# Altium PCB BEE_BOARD_ROTATED.PcbDoc (part 2 of 3) (continued)
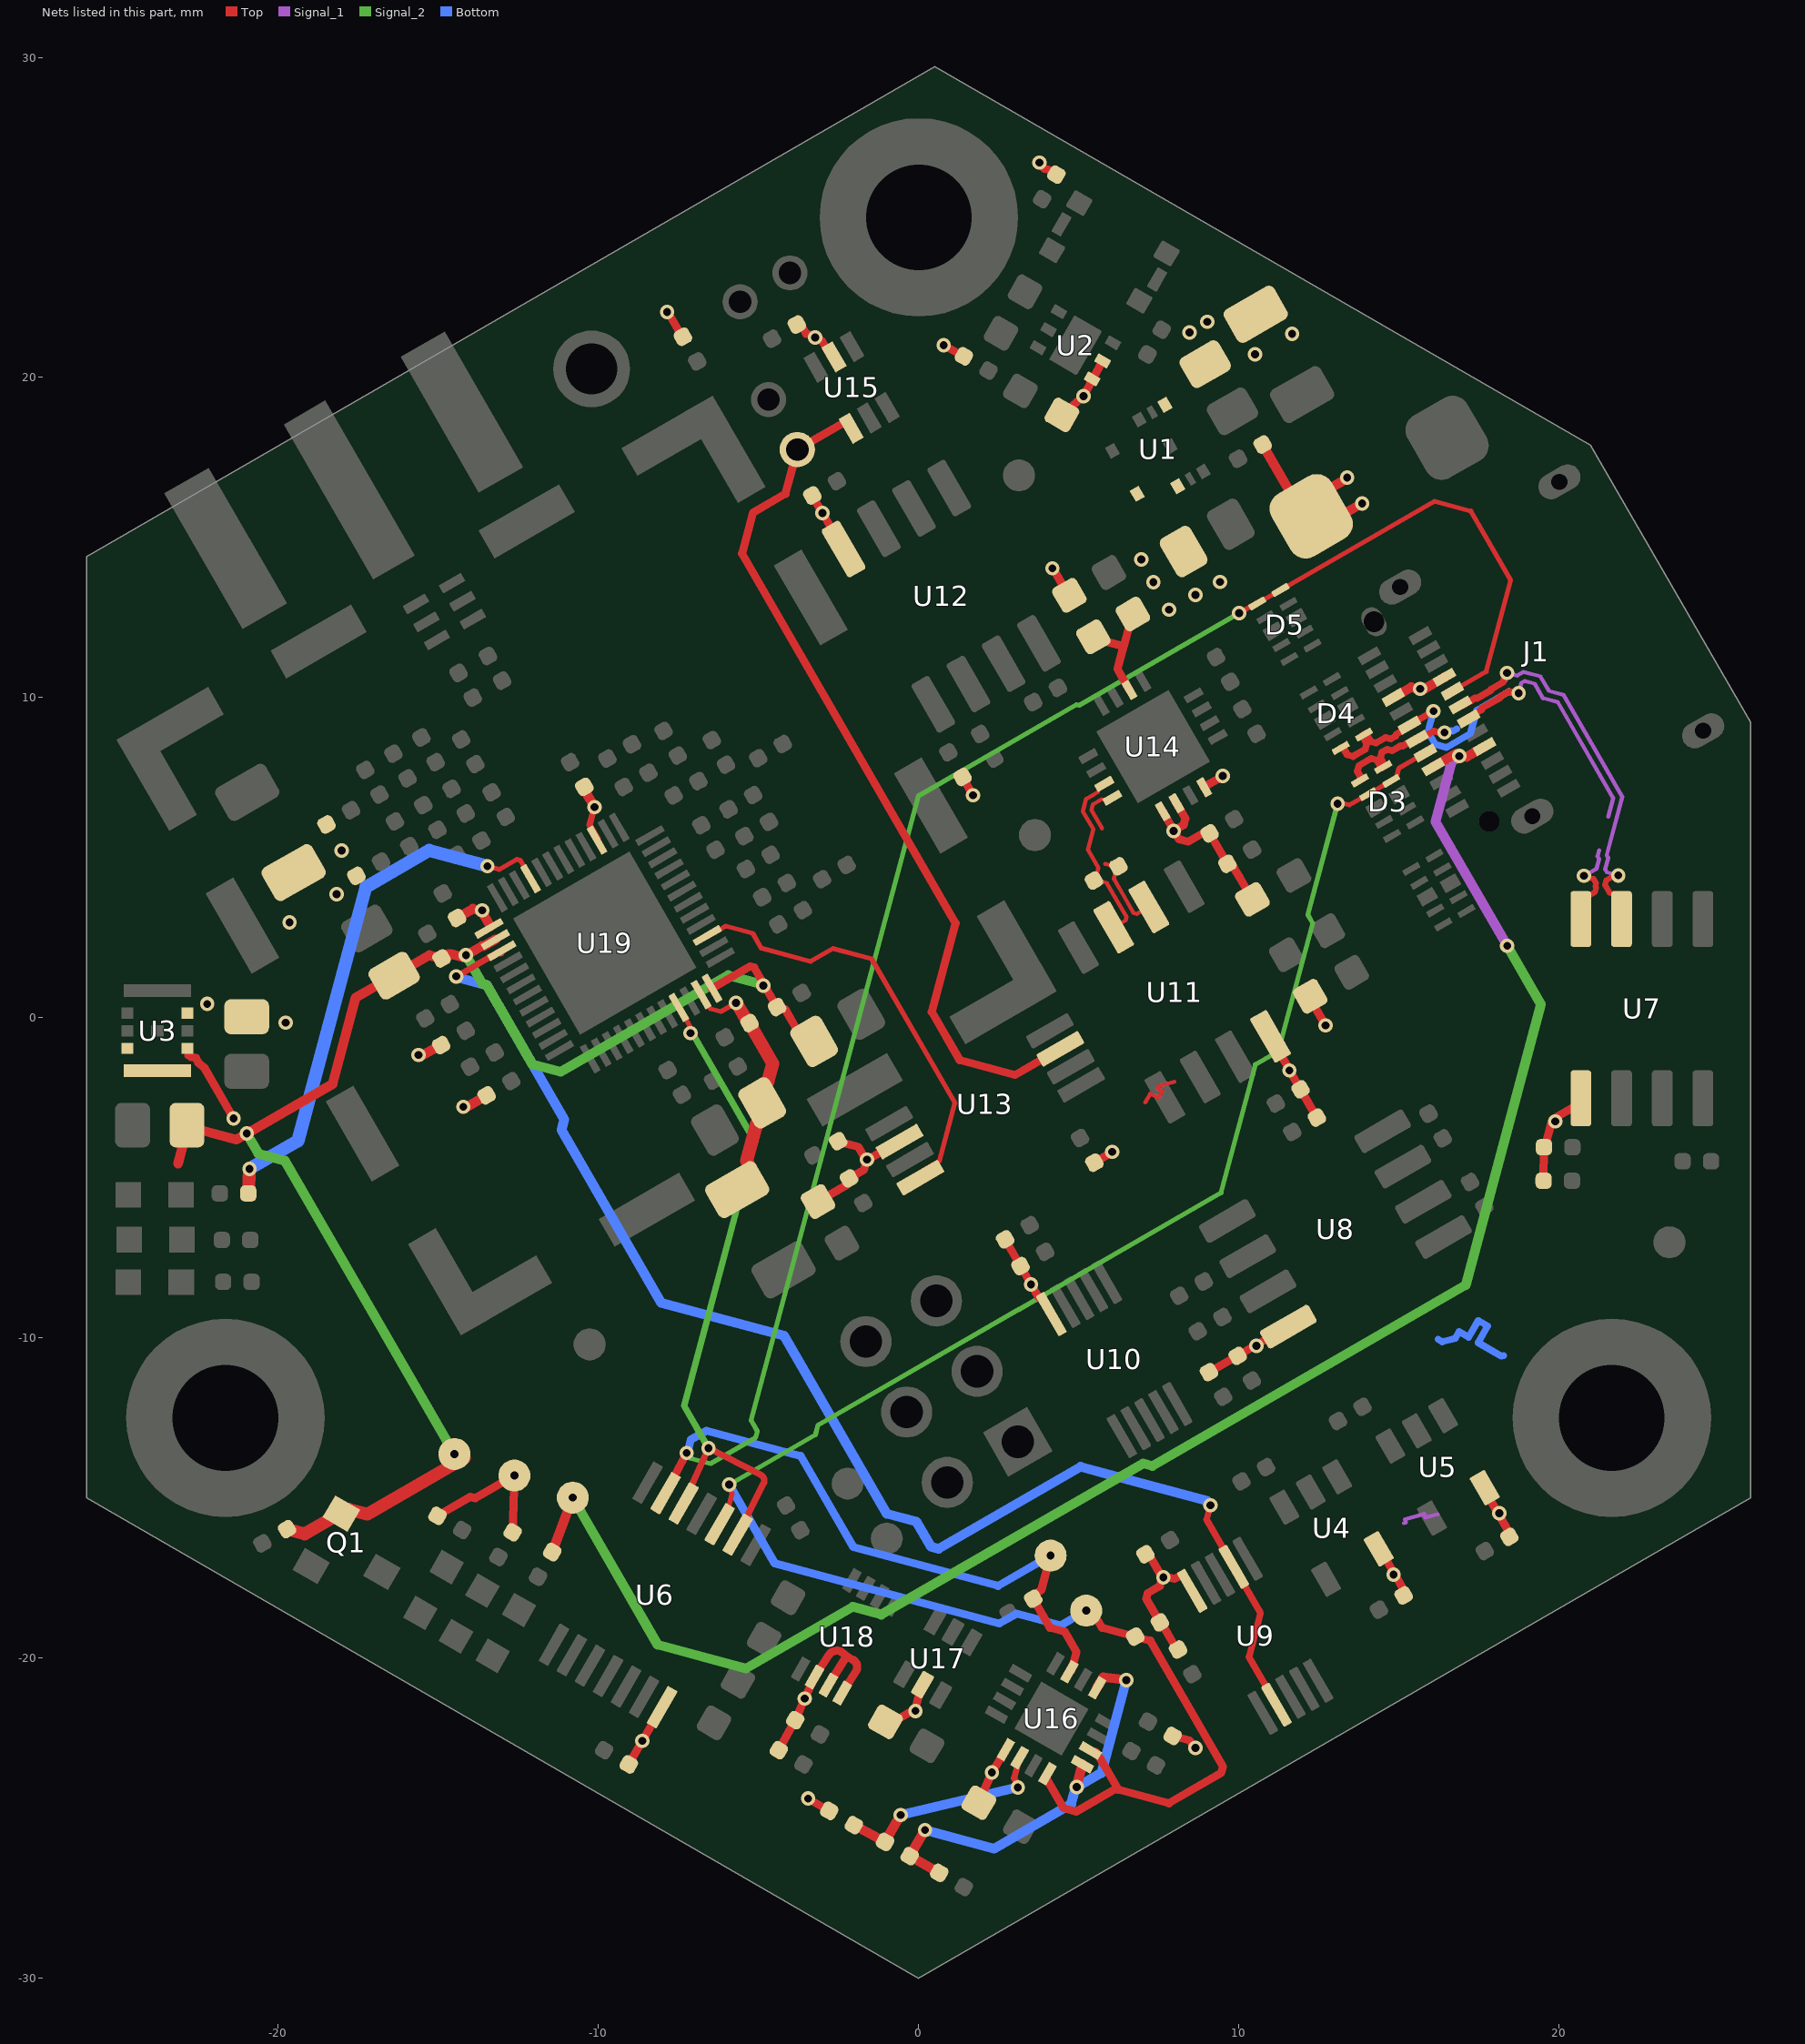
[diagram p8: the nets of this part, all layers, seen from the top]
## Part data (continued)
R36: library part RES_RC0402FR-0716KL, "RES - 16k OHM 1% 1/16W - 0402", Manufacturer #1=Yageo, Package=0402, Power Max=1/16W, Supplier Part Number 1=311-16.0KLRCT-ND, Temperature="-55°C ~ 155°C", Tolerance=1%, Voltage Rating=50V, Assembly Type=SMD, CreatedBy/Date="Nicolas Roy/18 oct. 2018", Cryo=UNKNOWN, GRAMS Lib Spec=2.8, HelpURL=http://www.yageo.com/documents/recent/PYu-RC_Group_51_RoHS_L_9.pdf, Magnetic Material=Unknown, Part Number #1=RC0402FR-0716KL, Polarized=NO, Supplier 1=Digi-Key, VerifiedBy="Caroline Paulin - 18/12/2018"
R37: library part RES_RC0402FR-07270RL, "RES - 270R 1% 1/16W - 0402", Manufacturer #1=Yageo, Package=0402, Power Max=1/16W, Supplier Part Number 1=311-270LRCT-ND, Temperature="-55°C ~ 155°C", Tolerance=1%, Voltage Rating=50V, Assembly Type=SMD, CreatedBy/Date="Philippe Arsenault 2020-07-24", GRAMS Lib Spec=2.8c, HelpURL=https://www.yageo.com/upload/media/product/productsearch/datasheet/rchip/PYu-RC_Group_51_RoHS_L_10.pdf, Magnetic Material=Unknown, Part Number #1=RC0402FR-07270RL, Polarized=No, Supplier 1=Digi-Key, VerifiedBy="Louis-Daniel Gaulin / 03-10-2020"
RF1: library part RF_SH_BASE_36103205S, "RF_SH -  BASE RF SHIELD 0.787\" X 0.787\" SMD", Manufacturer #1="Würth Elektronik", Supplier Part Number 1=732-11540-1-ND, Temperature="-40°C ~ 125°C", Assembly Type=SMD, CreatedBy/Date="Philippe Arsenault/2021-04-17", GRAMS Lib Spec=2.8, HelpURL=https://www.we-online.de/katalog/datasheet/36903205S.pdf, Magnetic Material=Unknown, Note="Buy with 36003200S", Part Number #1=36103205S, Polarized=No, Supplier 1=Digi-Key, VerifiedBy="Louis-Daniel Gaulin / 29-04-2021"
S1: library part SWI_TACT_435171014816, "SWI - SWITCH TACTILE SPST-NO 0.05A 12V -SMD", Current Rating=50mA, Manufacturer #1="Würth Elektronik", Package=SMD, Supplier Part Number 1=732-435171014816CT-ND, Temperature="-40°C ~ 85°C", Voltage Rating=12VDC, Assembly Type=SMD, CreatedBy/Date="Hubert Dube - 22/07/20", Cryo=UNKNOWN, GRAMS Lib Spec=2.8, HelpURL=https://www.we-online.com/catalog/datasheet/435171014816.pdf, Magnetic Material=UNKNOWN, Part Number #1=435171014816, Polarized=No, Supplier 1=Digi-Key, VerifiedBy="Louis-Daniel Gaulin / 12-11-2020"
T1: library part XFR_HHM1595A1, "XFR - Imp Unbalaced/Balanced 50/100 3-8GHz  -SMD", Manufacturer #1=TDK, Package=0805, Supplier Part Number 1=445-3387-1-ND, Temperature="-40°C ~ 85°C", Assembly Type=MT, CreatedBy/Date="Philippe Arsenault/2020-21-07", GRAMS Lib Spec=2.8, HelpURL=https://product.tdk.com/info/en/documents/data_sheet/rf_balun_hhm1595a1_en.pdf, Magnetic Material=Unknown, Part Number #1=HHM1595A1, Polarized=Yes, Supplier 1=Digi-Key, VerifiedBy="Louis-Daniel Gaulin / 03-10-2020"
U1: library part REG_SWR_XCL214B333DR, "REG_DC DC CONVERTER 3.3V 5W_9-PowerTFQFN", Current Rating=1.5A, Manufacturer #1="Torex Semiconductor Ltd", Package=9-PowerTFQFN, Supplier Part Number 1=893-1218-1-ND, Temperature="-40°C ~ 105°C", Voltage Rating="2.7V to 5.5V IN", Assembly Type=SMD, CreatedBy/Date="Louis-Daniel Gaulin / 21-07-2020", Cryo=UNKNOWN, GRAMS Lib Spec=2.8, HelpURL=https://www.torexsemi.com/file/xcl213/XCL213-XCL214.pdf, Magnetic Material=Unknown, Part Number #1=XCL214B333DR, Polarized=Yes, Supplier 1=Digi-Key, VerifiedBy="Philippe Arsenault/2020-11-06"
U2: library part POW_TPS3808G33DRVR, "POW - Programmable-Delay Supervisory Circuit Open Drain - 6WSON", Current Rating=2.4uA, Manufacturer #1="Texas Instruments", Package=6-WSON, Supplier Part Number 1=296-36792-1-ND, Temperature="-40°C ~ 125°C", Voltage Rating="1.7V ~ 6.5V (VDD); 3.07V TH", Assembly Type=SMD, CreatedBy/Date="Philippe Arsenault/2021-04-19", Cryo=UNKNOWN, GRAMS Lib Spec=2.8, HelpURL=http://www.ti.com/lit/ds/symlink/tps3808.pdf, Magnetic Material=Unknown, Part Number #1=TPS3808G33DRVR, Polarized=Yes, Supplier 1=Digi-Key, VerifiedBy="Louis-Daniel Gaulin / 29-04-2021"
U3: library part REG_SWR_MYRGP180100W21RA, "REG_DC DC CONVERTER 1.8V 1.8W_8-PowerTDFN", Current Rating=1A, Manufacturer #1="Murata Power Solutions Inc.", Package=8-PowerTDFN, Supplier Part Number 1=811-MYRGP180100W21RACT-ND, Temperature=-40°C~105°C, Voltage Rating="2.5V to 5.5V IN", Assembly Type=SMD, CreatedBy/Date="Louis-Daniel Gaulin / 21-07-2020", Cryo=UNKNOWN, GRAMS Lib Spec=2.8, HelpURL=https://www.murata.com/products/productdata/8807036026910/MYRGP-b-w.pdf?1583754814000, Magnetic Material=Unknown, Part Number #1=MYRGP180100W21RA, Polarized=Yes, Supplier 1=Digi-Key, VerifiedBy="Philippe Arsenault/2020-11-06"
U4 U5: library part LOG_BUF_74AHC1G07GV,125, "LOG_BUF - Buffer non-inverting Open Drain - SC-74A", Current Rating=8mA, Manufacturer #1="Nexperia USA Inc.", Package=SC-74A, Power Max=-, Supplier Part Number 1=1727-6761-1-ND, Temperature="-40°C ~ 125°C (TA)", Voltage Rating="2V ~ 5.5V", Assembly Type=SMD, CreatedBy/Date="Louis-Daniel Gaulin / 07-04-2021", GRAMS Lib Spec=2.8, HelpURL=https://assets.nexperia.com/documents/data-sheet/74AHC1G07.pdf, Magnetic Material=Unknown, Part Number #1=74AHC1G07GV,125, Polarized=Yes, Supplier 1=Digi-Key, VerifiedBy="Philippe Arsenault/2021-04-08"
U6: library part LOG_BUF_74LVC126APW,118, "LOG_BUF - Quad Buffer non-inverting 3-States - 14-TSSOP", Current Rating="100mA (supply) - 24mA (output)", Manufacturer #1="Nexperia USA Inc.", Package=14-TSSOP, Power Max=500mW, Supplier Part Number 1=1727-5979-1-ND, Temperature="-40°C ~ 125°C (TA)", Voltage Rating="1.65V ~ 3.6V", Assembly Type=SMD, CreatedBy/Date="Louis-Daniel Gaulin / 11-04-2021", GRAMS Lib Spec=2.8, HelpURL=https://assets.nexperia.com/documents/data-sheet/74LVC126A.pdf, Magnetic Material=Unknown, Part Number #1=74LVC126APW,118, Polarized=Yes, Supplier 1=Digi-Key, VerifiedBy="Philippe Arsenault/2021-04-14"
U7: library part COM_XCV_FIN1027AMX, "COM_XCV - 3V3 LVCMOS to LVDS, 2 bits, High-SPEED, DIFF driver - SOIC-8", Current Rating=17mA, Manufacturer #1="ON Semiconductor", Package=SOIC-8, Power Max=56mW, Supplier Part Number 1=FIN1027AMXCT-ND, Temperature="-40°C ~ 85°C", Voltage Rating="3V ~ 3.6V", Assembly Type=SMD, CreatedBy/Date="Philippe Arsenault/2021-04-01", GRAMS Lib Spec=2.8, HelpURL=https://www.onsemi.com/pdf/datasheet/fin1027a-d.pdf, Magnetic Material=Unknown, Part Number #1=FIN1027AMX, Polarized=YES, Supplier 1=Digi-Key, VerifiedBy="Louis-Daniel Gaulin - 05/04/2021"
U8 U12: library part COM_XCV_FIN1028MX, "COM_XCV - 3V3 LVDS to LVCMOS, 2 bits, High-SPEED, DIFF receiver - SOIC-8", Current Rating=9mA, Manufacturer #1="ON Semiconductor", Package=SOIC-8, Power Max=30mW, Supplier Part Number 1=FIN1028MXCT-ND, Temperature="-40°C ~ 85°C", Voltage Rating="3V ~ 3.6V", Assembly Type=SMD, CreatedBy/Date="Philippe Arsenault/2021-04-01", GRAMS Lib Spec=2.8, HelpURL=https://www.onsemi.com/pdf/datasheet/fin1028-d.pdf, Magnetic Material=Unknown, Part Number #1=FIN1028MX, Polarized=YES, Supplier 1=Digi-Key, VerifiedBy="Louis-Daniel Gaulin - 05/04/2021"
U9 U10: library part LOG_MUX_TMUX154EDGSR, "LOG_MUX -  SWITCH SPDT DUAL 2:1 - 10-VSSOP", Current Rating=10uA, Manufacturer #1="Texas Instruments", Manufacturer #2=-, Package=10-VSSOP, Power Max=50uW, Supplier Part Number 1=296-48347-1-ND, Temperature="-40°C ~ 85°C", Voltage Rating="3V ~ 4.3V", Assembly Type=SMD, CreatedBy/Date="Louis-Daniel Gaulin / 06-10-2020", GRAMS Lib Spec=2.8C, HelpURL=https://www.ti.com/lit/ds/symlink/tmux154e.pdf?HQS=TI-null-null-digikeymode-df-pf-null-wwe&ts=1602037764538, Magnetic Material=Unknown, Note=-, Part Number #1=TMUX154EDGSR, Part Number #2=-, Polarized=YES, Supplier 1=Digi-Key, Tolerance=-, VerifiedBy="Philippe Arsenault/2020-11-06"
U11: library part TIM_BUF_PI6C49CB01Q3WEX, "TIM_BUF - Clock Translator IC 1:1 LVDS-LVCMOS -  8-SOIC", Current Rating=35mA, Manufacturer #1="Diodes Incorporated", Package=8-SOIC, Power Max=126mW, Supplier Part Number 1=31-PI6C49CB01Q3WEXCT-ND, Temperature="-40 to 85°C", Voltage Rating="2.375V ~ 2.625V, 3V ~ 3.6V", Assembly Type=SMD, CreatedBy/Date="Philippe Arsenault/2021-03-26", GRAMS Lib Spec=2.7, HelpURL=https://www.diodes.com/assets/Datasheets/PI6C49CB01Q.pdf, Magnetic Material=Unknown, Part Number #1=PI6C49CB01Q3WEX, Polarized=Yes, Supplier 1=Digi-Key, VerifiedBy="Louis-Daniel Gaulin - 05/04/2021"
U13: library part COM_BUF_LMK1C1102PWR, "COM - BUF - Clock buffer 3V3, 2V5, 1V8 2 Channel - TSSOP 8", Current Rating="Input +-20mA ; Output +- 50mA", Manufacturer #1="Texas Instruments", Package="TSSOP 8 pin", Power Max=132mW, Supplier Part Number 1=296-LMK1C1102PWRCT-ND, Temperature="–40°C to 125°C", Voltage Rating="1.71V ~ 1.89V, 2.375V ~ 2.625V, 3.135V ~ 3.465V", Assembly Type=SMT, CreatedBy/Date="Philippe Arsenault/20-07-2020", Cryo=No, GRAMS Lib Spec=2.8, HelpURL=https://www.ti.com/lit/ds/symlink/lmk1c1102.pdf?ts=1595262014854&ref_url=https%253A%252F%252Fwww.ti.com%252Fproduct%252FLMK1C1102%253Futm_source%253Dgoogle%2526utm_medium%253Dcpc%2526utm_campaign%253Dasc-null-null-GPN_EN-cpc-pf-google-wwe%2526utm_content%253DLMK1C1102%2526ds_k%253DLMK1C1102%2526DCM%253Dyes%2526gclid%253DCjwKCAjwgdX4BRB_EiwAg8O8HUIvo-ksMfq8YInqTklLXWuMoCGXxsnhq04Fqr4kdDFQPSc0fYG9iRoCPvAQAvD_BwE%2526gclsrc%253Daw.ds, Magnetic Material=Unknown, Part Number #1=LMK1C1102PWR, Polarized=Yes, Supplier 1=Digi-Key, VerifiedBy="Louis-Daniel Gaulin / 23-07-2020"
U14: library part TIM_MUX_DS25CP102TSQ/NOPB, "TIM_MUX - Crosspoint Switch 1 x 2:2 3.125Gbps - 16-WQFN (4x4)", Current Rating=90mA, Manufacturer #1="Texas Instrument", Package=16-WQFN, Power Max=180mW, Supplier Part Number 1=DS25CP102TSQ/NOPBCT-ND, Temperature="-40°C ~ 85°C", Voltage Rating="3V ~ 3.6V", Assembly Type=SMD, CreatedBy/Date="Philippe Arsenault/2021-04-01", GRAMS Lib Spec=2.8, HelpURL=https://www.ti.com/lit/ds/symlink/ds25cp102.pdf?HQS=dis-dk-null-digikeymode-dsf-pf-null-wwe&ts=1617306001217, Magnetic Material=UNKNOWN, Part Number #1=DS25CP102TSQ/NOPB, Polarized=YES, Supplier 1=Digi-Key, VerifiedBy="Louis-Daniel Gaulin / 08-04-2021"
U15: library part LOG_FLIPFLOP_SN74LVC1G175DCKT, "LOG_FLIPFLOP - Single D flip-flop with Asynchronous clear - SOT-363", Current Rating=100mA, Manufacturer #1="Texas Instruments", Package=SOT-363, Part Number #1=SN74LVC1G175DCKR, Supplier Part Number 1=296-16998-1-ND, Temperature="-40°C ~ 125°C", Voltage Rating="1.65V ~ 5.5V", Assembly Type=SMD, CreatedBy/Date="Philippe Arsenault/21-07-2020", Cryo=No, GRAMS Lib Spec=2.8, HelpURL=https://www.ti.com/lit/ds/symlink/sn74lvc1g175.pdf?ts=1594769483993&ref_url=https%253A%252F%252Fwww.google.com%252F, Magnetic Material=Unknown, Polarized=Yes, Supplier 1=Digi-Key, VerifiedBy="Louis-Daniel Gaulin / 03-10-2020"
U16: library part CMP_LM339LVRTER, "COMP - Quad Comparator General Purpose Open-Drain, Rail-to-Rail - 16-WQFN (3x3)", Current Rating="100mA@5V (SC)", Manufacturer #1="Texas instrument", Package="16-WFQFN Exposed Pad", Power Max=-, Supplier Part Number 1=296-LM339LVRTERCT-ND, Temperature="-40°C ~ 125°C (TA)", Voltage Rating="1.65V ~ 5.5V", Assembly Type=SMD, CreatedBy/Date="Philippe Arsenault/2021-04-10", GRAMS Lib Spec=2.8, HelpURL=https://www.ti.com/lit/ds/symlink/lm339lv.pdf?ts=1618013735062, Magnetic Material=Unknown, Part Number #1=LM339LVRTER, Polarized=Yes, Supplier 1=Digi-Key, VerifiedBy="Louis-Daniel Gaulin / 14-04-2021"
U17: library part LOG_XOR_74LVC1G386GW,125, "LOG -  XOR (Exclusive OR) IC 1 Channel 3 inputs- 6-TSSOP", Current Rating="100mA (supply) , 50mA (out)", Manufacturer #1="Nexperia USA Inc.", Package=6-TSSOP, Power Max=250mW, Supplier Part Number 1=1727-6982-1-ND, Temperature="-40°C ~ 125°C (TA)", Voltage Rating="1.65V ~ 5.5V", Assembly Type=SMD, CreatedBy/Date="Philippe Arsenault/2021-04-10", GRAMS Lib Spec=2.8, HelpURL=https://assets.nexperia.com/documents/data-sheet/74LVC1G386.pdf, Magnetic Material=Unknown, Part Number #1=74LVC1G386GW,125, Polarized=Yes, Supplier 1=Digi-Key, VerifiedBy="Louis-Daniel Gaulin / 14-04-2021"
U18: library part LOG_FLIPFLOP_74LVC1G74DC,125, "LOG_FLIPFLOP - D-Type Flip Flop Bit Positive Edge with asynchronous operation - 8-VSSOP", Current Rating="32mA output", Manufacturer #1="Nexperia USA Inc.", Package=VSSOP-8, Power Max=300mW, Supplier Part Number 1=1727-4029-1-ND, Temperature="-40°C ~ 125°C (TA)", Voltage Rating="1.65V ~ 5.5V", Assembly Type=SMD, CreatedBy/Date="Philippe Arsenault/2021-04-14", GRAMS Lib Spec=2.8, HelpURL=https://assets.nexperia.com/documents/data-sheet/74LVC1G74.pdf, Magnetic Material=Unknown, Part Number #1=74LVC1G74DC,125, Polarized=Yes, Supplier 1=Digi-Key, VerifiedBy="Louis-Daniel Gaulin / 16-04-2021"
U19: library part COM_XCV_DW1000-I-TR13, "COM - IC RF TxRx 802.15.4 IR-UWB DECAWAVE - 48-VFQFN EP", Current Rating="Rx 64mA/Tx 31mA", Manufacturer #1=Decawave, Manufacturer #2=Qorvo, Package="QFN 48", Supplier Part Number 1=1479-1001-1-ND, Temperature="-40°C ~ 85°C", Voltage Rating="2.8 - 3.6 V", Assembly Type=SMT, CreatedBy/Date="Philippe Arsenault/13-07-2020", Cryo=No, GRAMS Lib Spec=2.8, HelpURL=https://www.decawave.com/sites/default/files/resources/DW1000-Datasheet-V2.12.pdf, Magnetic Material=Unknown, Part Number #1=DW1000-I-TR13, Polarized=Yes, Supplier 1=Digi-Key

## Via types
v1: diameter 0.45, hole 0.25, Top to Bottom, 238 vias
v2: diameter 0.5, hole 0.25, Top to Bottom, 16 vias

## Nets (pads, with @x,y where several pads share a name; then routed paths per layer and width w, separated by ;. In a path a pad name is that pad's centre, name@x,y a point inside that pad or via, vN(x,y) a via of type N, cw(c..) or ccw(c..) an arc to the next point about the centre after c; other vN are vias at no path point)
0V825_REF: R30.1 R31.2 U16.5 U16.9 | length 13.3
  Top w0.305: v1(0.198,-25.374) R30.1@-0.28,-26.188 R31.2@0.641,-26.71 ; v1(4.934,-24.033) 4.928,-24.022 U16.5@5.116,-23.32 ; U16.9@5.573,-20.928 5.768,-20.601 v1(6.484,-20.689)
  Bottom w0.305: v1(0.198,-25.374) 2.355,-25.951 4.764,-24.56 4.9,-24.053 v1(4.934,-24.033) 5.708,-23.587 v1(6.484,-20.689)
1V8: 1V8.1 C8.2 C39.2 C43.2 C62.2 C66.2 Q1.1 R3.1 U3.3 U3.8 U19.26 U19.48 | length 49.2
  Top w0.254: U19.48@-6.451,0.922 -5.262,1.608 -5.14,1.575 C43.2@-4.422,0.331 -4.173,0.264 -3.767,-0.44 -3.298,-0.565 C39.2@-3.186,-0.501
  Top w0.305: -23.132,-4.553 C8.2@-22.824,-3.402 ; C8.2@-22.852,-3.354 C8.2@-22.824,-3.402 ; U19.26@-13.218,2.442 -13.229,2.445 -13.6,2.231 -13.638,2.241 v1(-14.139,1.952) -14.242,1.892 -14.596,1.988 -14.628,1.97 -14.677,1.983 C66.2@-14.903,1.853 -15.279,1.954 C62.2@-16.384,1.315 -17.584,0.623 -18.306,-2.071 v1(-20.983,-3.617) -21.313,-3.807 C8.2@-22.824,-3.402
  Top w0.406: R3.1@-19.727,-15.975 -19.177,-16.122 -18.059,-15.477 Q1.1@-18.024,-15.486 -17.797,-15.355 -17.225,-15.508 1V8.1@-14.194,-13.758
  Signal_2 w0.305: v1(-20.983,-3.617) -20.619,-4.246 -19.787,-4.469 v1(-14.499,-13.629) ; v1(-14.139,1.952) -13.618,1.051 -13.487,1.015 -12.061,-1.455 -11.178,-1.692 -5.947,1.328 -4.874,1.04 v1(-4.854,1.006)
2V475_REF: R29.1 R30.2 U16.2 | length 6.8
  Top w0.203: v1(3.096,-24.042) 3.113,-23.978 2.984,-23.754 3.155,-23.114 U16.2@3.157,-23.113
  Top w0.305: R29.1@-2.024,-25.22 R30.2@-1.05,-25.743 v1(-0.563,-24.905)
  Bottom w0.305: v1(-0.563,-24.905) v1(3.096,-24.042)
3V3: 3V3.1 C4.1 C5.2 C7.2 C9.2 C10.2 C11.2 C12.1 C13.2 C14.2 C15.2 C16.2 C17.2 C21.2 C22.2 C23.2 C24.1 C25.2 C26.2 C27.1 C28.2 C29.2 C30.2 C31.1 C32.1 C33.1 C34.2 C35.2 C36.2 C40.2 C41.2 C45.2 C47.2 C49.2 L1.1 L2.1 R2.2 R4.1 R13.2 R15.2 R19.2 R23.2 R24.2 R25.2 R28.2 R29.2 R38.1 R39.1 R40.2 R41.2 R42.2 U1.4 U1.9 U2.1 U2.2 U3.4 U3.6 U4.5 U5.5 U6.14 U7.1 U8.8 U9.10 U10.10 U11.8 U12.8 U13.6 U14.13 U14.14 U14.16 U15.5 U16.1 U17.5 U18.6 U18.7 U18.8 U19.15 U19.25 U19.47 | length 76.8
  Top w0.152: C47.2@-10.442,7.212 -10.362,7.19 C47.2@-10.398,7.054 ; v1@-10.13,6.575 v1(-10.124,6.579) ; U19.15@-10.044,5.545 U19.15@-10.031,5.591 ; U19.47@-6.797,0.722 -6.751,0.709 -6.504,0.28 -6.175,0.192 v1(-5.7,0.466)
  Top w0.203: v1@-10.13,6.575 -10.279,6.02 U19.15@-10.031,5.591
  Top w0.254: U3.4@-22.836,-0.956 -22.827,-1.028 -22.81,-1.165 -22.73,-1.228 -22.694,-1.228 -22.573,-1.26 -22.495,-1.395 -22.495,-1.411 -22.44,-1.454 -22.354,-1.521 -22.315,-1.551 v1(-21.396,-3.144) ; R4.1@-15.027,-15.557 -14.002,-14.966 -13.848,-15.007 v1(-12.626,-14.301) R2.2@-12.681,-16.074 ; C12.1@-9.054,-23.325 v1(-8.633,-22.586) U6.14@-8.013,-21.537 ; v1(-7.855,22.044) -7.827,22.036 -7.39,21.28 R24.2@-7.361,21.272 ; C34.2@-4.369,-22.878 C35.2@-3.852,-21.941 v1(-3.555,-21.267) U18.6@-3.251,-20.595 -2.796,-19.893 cw(c-2.582,-20.03) -2.621,-19.779 -2.591,-19.775 cw(c-2.552,-20.025) -2.392,-19.828 ; C31.1@-3.806,21.653 -3.654,21.613 -3.51,21.363 -3.255,21.295 v1(-3.229,21.249) -3.202,21.203 -3.026,21.156 -2.743,20.667 U15.5@-2.644,20.64 ; v1(-3.454,-24.39) R29.2@-2.793,-24.775 ; C25.2@-3.322,16.313 C25.2@-3.322,16.313 -3.005,15.762 v1(-3.006,15.761) -2.997,15.759 -2.352,14.642 U12.8@-2.344,14.639 ; C24.1@-3.145,-5.743 -2.238,-5.22 -2.186,-5.025 C28.2@-2.174,-5.018 -1.705,-4.748 v1@-1.622,-4.437 ; U18.7@-2.818,-20.845 -2.264,-19.963 ; C26.2@-2.515,-3.857 -2.508,-3.869 -1.883,-4.037 -1.657,-4.428 v1@-1.622,-4.437 ; -2.391,-19.828 -2.249,-19.944 -2.22,-19.967 ccw(c-2.06,-19.77) -2.17,-19.999 -2.064,-20.05 cw(c-2.173,-20.279) -1.958,-20.414 U18.8@-2.385,-21.095 ; C33.1@-1.038,-21.994 -0.87,-22.039 -0.214,-21.661 -0.144,-21.679 v1(-0.098,-21.653) -0.115,-21.623 0.091,-20.853 U17.5@0.124,-20.834 ; U13.6@-0.597,-3.87 -0.612,-3.867 -1.597,-4.435 v1(-1.611,-4.431) v1@-1.622,-4.437 ; v1(0.782,21.01) R42.2@1.412,20.66 R42.2@1.354,20.76 ; R19.2@1.371,7.52 v1(1.701,6.949) ; C32.1@1.879,-24.52 v1(2.286,-23.573) U16.1@2.724,-22.863 ; C21.2@2.7,-6.923 C17.2@3.182,-7.758 v1(3.511,-8.327) 3.743,-8.729 3.859,-8.76 U10.10@4.146,-9.258 ; v1(3.772,26.711) 3.823,26.697 3.924,26.522 4.243,26.437 R40.2@4.301,26.337 ; v1(4.176,14.04) 4.202,14.032 4.681,13.203 R15.2@4.708,13.196 ; C4.1@4.477,18.831 v1(5.151,19.416) 5.436,19.945 U2.2@5.744,20.517 ; R23.2@5.485,-4.528 R23.2@5.487,-4.527 5.489,-4.519 6.044,-4.199 v1(6.046,-4.191) ; C16.2@7.067,-16.756 C16.2@7.081,-16.759 7.207,-16.793 7.594,-17.463 v1(7.645,-17.477) ; U14.13@7.621,6.45 7.624,6.449 v1@7.973,5.844 ; R28.2@7.933,-22.433 8.466,-22.576 8.594,-22.797 v1(8.645,-22.811) ; v1(7.96,5.837) v1@7.973,5.844 ; U14.14@8.054,6.7 8.33,6.222 8.275,6.019 v1@7.973,5.844 ; R41.2@8.103,-19.735 8.055,-19.722 7.581,-18.9 R25.2@7.533,-18.888 7.109,-18.152 7.157,-17.971 7.532,-17.755 7.599,-17.503 v1(7.645,-17.477) ; C5.2@8.263,14.517 C5.2@8.276,14.564 ; U9.10@8.545,-17.901 8.258,-17.403 8.226,-17.394 7.99,-17.531 7.691,-17.45 v1(7.645,-17.477) ; U14.16@8.92,7.2 8.916,7.207 8.917,7.21 9.495,7.543 v1(9.499,7.557) ; C13.2@9.067,-11.071 9.072,-11.072 11.54,-9.647 U8.8@11.546,-9.649 ; C27.1@10.424,3.697 10.018,4.401 10.005,4.404 9.796,4.766 C29.2@9.644,4.807 9.639,4.808 9.091,5.757 C30.2@9.085,5.759 8.933,5.799 8.415,5.5 8.127,5.577 v1@7.973,5.844 ; U11.8@10.992,-0.582 10.988,-0.598 11.585,-1.631 v1(11.58,-1.647) 11.585,-1.648 11.923,-2.234 C23.2@11.927,-2.235 C22.2@12.439,-3.121 ; R13.2@12.229,0.67 12.214,0.617 v1(12.71,-0.241) ; U4.5@14.37,-16.592 14.417,-16.605 v1@14.863,-17.377 ; v1(14.834,-17.393) 14.88,-17.406 15.179,-17.925 C10.2@15.147,-18.046 ; U5.5@17.68,-14.681 17.665,-14.736 18.418,-16.04 C9.2@18.403,-16.095 ; C11.2@19.518,-5.092 C14.2@19.53,-4.042 19.565,-4.021 19.755,-3.311 v1(19.884,-3.237) 19.92,-3.104 20.638,-2.689 U7.1@20.685,-2.516
  Top w0.305: v1(-15.623,-1.161) v1@-15.602,-1.167 ; v1@-15.604,-1.234 -14.934,-0.847 R38.1@-14.912,-0.853 ; C41.2@-14.417,3.114 -13.919,3.402 -13.662,3.333 v1(-13.628,3.353) -13.638,3.315 U19.25@-13.376,2.861 ; v1@-14.225,-2.85 -13.494,-2.428 R39.1@-13.492,-2.424 ; C47.2@-10.398,7.054 v1(-10.124,6.579)
  Top w0.406: v1(-5.7,0.466) -5.689,0.463 -5.333,-0.154 C49.2@-5.283,-0.167 -4.556,-1.426 -4.706,-1.983 -4.838,-2.06 -4.963,-2.528 -4.811,-2.792 -4.936,-3.26 -5.068,-3.337 -5.374,-4.478 -5.258,-4.679 C40.2@-5.459,-5.431
  other v1: 18.135,-15.474 10.552,-10.249 -14.222,-2.783 -19.768,-0.154 -22.22,0.43 -19.647,2.979 -18.178,3.859 -18.026,5.222 7.826,12.744 8.649,13.212 7.33,13.602 9.409,13.612 6.952,14.314
5V: 5V.1 C1.2 C3.2 D1.1 J1.A4 J1.A9 J1.B4 J1.B9 R1.2 R43.2 U1.1 | length 63.7
  Top w0.305: R1.2@-11.445,-16.692 v1(-10.802,-14.99) ; R43.2@10.745,17.904 11.998,15.735 D1.1@12.26,15.664 ; v1(13.382,16.876) 13.373,16.841 12.43,16.297 D1.1@12.26,15.664 ; v1(13.853,16.061) 13.843,16.064 12.869,15.501 D1.1@12.26,15.664 ; J1.A9@14.825,10.003 14.828,10.002 15.385,10.323 15.723,10.232 J1.B4@16.422,10.636 ; J1.A4@16.075,7.837 16.696,8.196 16.854,8.154 v1(16.888,8.174) ; v1@16.774,8.241 17.112,8.15 17.669,8.472 J1.B9@17.672,8.471
  Signal_1 w0.305: v1(16.888,8.174) 16.878,8.136 16.649,8.004 16.145,6.121 v1(18.382,2.246)
  Signal_2 w0.305: v1(-10.802,-14.99) -8.15,-19.584 -5.389,-20.324 -2.061,-18.402 -1.164,-18.642 7.013,-13.921 7.299,-13.998 17.089,-8.346 19.437,0.419 v1(18.382,2.246)
  other v1: 15.663,10.276 10.504,20.724 11.663,21.364 8.457,21.407 9.014,21.741
BB_CLK: CLK.2 U13.3 U15.1 | length 27.3
  Top w0.254: U15.1@-2.107,18.41 -2.186,18.547 -2.338,18.588 CLK.2@-3.788,17.751 -4.158,16.367 -5.17,15.783 -5.515,14.496 1.152,2.949 0.411,0.183 1.282,-1.324 3.011,-1.788 U13.3@4.426,-0.97
CC1: CC1.1 D3.4 D3.7 J1.A5 R25.1 U6.3 U16.4 U16.6 | length 64.1
  Top w0.152: U6.3@-6.214,-15.821 -6.055,-15.729 -5.823,-14.863 -5.939,-14.663 v1(-5.918,-14.585) ; v1(13.085,6.688) 13.154,6.729 13.458,6.647 D3.7@14.037,6.981 D3.4@14.76,7.399 14.918,7.49 15,7.794 J1.A5@15.825,8.27
  Top w0.254: U16.4@4.023,-23.613 3.985,-23.757 4.524,-24.691 4.926,-24.799 6.153,-24.09 6.235,-24.112 ; v1(5.233,-18.521) 5.454,-18.58 5.728,-19.055 R25.1@6.763,-19.332 7.233,-19.458 9.503,-23.39 9.448,-23.593 7.816,-24.536 6.235,-24.112 ; U16.6@5.366,-22.887 5.537,-22.933 5.641,-23.113 5.661,-23.118 6.235,-24.112
  Signal_2 w0.152: v1(-5.918,-14.585) -3.225,-13.03 -3.143,-12.726 3.143,-9.097 3.157,-9.1 9.443,-5.471 10.517,-1.464 11.234,-1.05 12.307,2.956 12.155,3.22 v1(13.085,6.688)
  Bottom w0.254: v1(-5.918,-14.585) -4.5,-17.042 2.518,-18.922 3.052,-18.614 4.43,-18.984 v1(5.233,-18.521)
CC2: CC2.1 D5.5 D5.6 J1.B5 R26.2 U6.6 U16.11 | length 69.5
  Top w0.152: v1(10.013,12.642) 10.546,12.95 D5.6@10.579,12.941 D5.5@11.302,13.359 16.104,16.131 17.249,15.824 18.493,13.669 17.727,10.812 J1.B5@16.672,10.203
  Top w0.254: U6.6@-7.903,-14.846 v1(-7.245,-13.596) -7.241,-13.588 v1@-7.232,-13.571 ; CC2.1@4.131,-16.766 v1(4.121,-16.8) 3.831,-17.883 3.618,-18.006 R26.2@3.58,-18.147 4.102,-19.051 4.56,-19.174 4.928,-19.812 4.774,-20.39 U16.11@4.707,-20.428
  Signal_2 w0.152: v1(-7.245,-13.596) -7.154,-13.754 -6.498,-13.93 -5.091,-13.117 -5.038,-12.918 -5.232,-12.582 -0.004,6.93 4.928,9.777 5.012,9.755 v1(10.013,12.642)
  Bottom w0.254: v1(-7.245,-13.596) -7.221,-13.582 -7.113,-13.178 -6.634,-12.902 -3.68,-13.693 -2.04,-16.533 2.485,-17.745 v1(4.121,-16.8)
CLK_BB_LVDS_N: R17.1 U11.3 U14.11 | length 5.7
  Top w0.127: R17.1@5.471,4.285 R17.1@5.513,4.309 ; U14.11@5.8,7.304 5.649,7.216 5.604,7.048 5.437,6.952 5.226,6.83 5.125,6.453 5.458,5.877 5.287,5.239 5.614,4.673 5.586,4.571 5.583,4.569 R17.1@5.513,4.309 ; U11.3@6.092,2.825 6.468,3.041 6.495,3.143 6.15,3.741 6.15,3.743 5.879,4.214 5.777,4.241 5.773,4.239 R17.1@5.513,4.309
CLK_BB_LVDS_P: R17.2 U11.2 U14.12 | length 5.7
  Top w0.127: 5.73,5.913 5.398,6.489 5.444,6.663 5.473,6.679 5.731,6.828 5.899,6.783 U14.12@6.05,6.871 ; 5.829,4.809 5.834,4.8 5.935,4.773 5.939,4.775 R17.2@6.199,4.705 ; R17.2@6.241,4.729 R17.2@6.199,4.705 ; 7.079,-2.643 7.237,-2.368 7.485,-2.512 7.612,-2.292 7.457,-2.202 7.494,-2.138 7.986,-2.006 ; U11.2@7.192,3.46 6.817,3.243 6.715,3.27 6.422,3.777 6.423,3.779 6.099,4.341 6.126,4.443 6.13,4.445 R17.2@6.199,4.705
CLK_OUT: U13.8 U19.3 | length 13.6
  Top w0.152: U19.3@-6.595,2.571 -6.549,2.558 -6.023,2.862 -5.18,2.636 -4.913,2.174 -3.372,1.761 -2.676,2.162 -1.467,1.839 1.133,-2.665 0.646,-4.482 0.108,-4.793 U13.8@0.053,-4.996
D_N: D4.1 D4.10 J1.A7 J1.B7 U7.8 | length 20.6
  Top w0.178: U7.8@20.685,3.084 20.87,3.776 21.122,3.922 21.16,4.064 21.135,4.107 21.161,4.205 21.088,4.333 20.794,4.412 v1(20.782,4.434)
  Top w0.216: D4.10@13.185,8.427 13.238,8.458 13.249,8.455 13.391,8.21 13.564,8.164 13.946,8.385 13.993,8.557 13.851,8.803 13.854,8.814 D4.1@13.908,8.845 13.962,8.876 13.972,8.873 14.114,8.627 14.287,8.581 14.585,8.753 14.745,8.711 14.9,8.8 14.913,8.85 15.31,9.079 J1.A7@15.325,9.137 15.326,9.139 16.08,9.575 v1(16.08,9.578) ; J1.B7@17.172,9.337 17.188,9.394 17.584,9.623 17.598,9.673 18.159,9.998 18.169,10.033 18.433,10.186 18.699,10.114 v1(18.741,10.139)
  Signal_1 w0.127: 15.158,-15.79 15.219,-15.774 15.19,-15.664 15.803,-15.5 15.833,-15.609 16.212,-15.508 ; v1(18.741,10.139) 18.744,10.141 18.829,10.458 18.933,10.518 19.241,10.435 19.503,9.981 19.962,9.858 21.691,6.864 21.536,6.286 ; v1(20.782,4.434) 20.792,4.431 21.172,4.65 21.253,4.955 21.203,5.043 21.254,5.232
  Bottom w0.216: v1(16.08,9.578) 15.907,8.932 16.137,8.535 16.484,8.442 17.239,8.878 17.435,9.609 18.433,10.186 18.699,10.114 v1(18.741,10.139)
D_P: D3.5 D3.6 J1.A6 J1.B6 U7.7 | length 20.6
  Top w0.178: v1(21.849,4.446) 21.778,4.465 21.473,4.289 21.435,4.147 21.575,3.904 21.72,3.865 U7.7@22.023,3.34
  Top w0.216: D3.6@13.787,7.414 13.841,7.445 13.844,7.456 13.702,7.701 13.748,7.874 14.131,8.095 14.304,8.049 14.445,7.803 14.456,7.801 D3.5@14.51,7.832 14.564,7.863 14.567,7.874 14.425,8.119 14.471,8.292 14.634,8.385 14.793,8.343 15.071,8.503 15.121,8.49 15.517,8.719 J1.A6@15.575,8.703 15.632,8.688 16.089,8.952 16.368,8.877 v1(16.423,8.909) ; J1.B6@16.922,9.77 16.98,9.755 17.376,9.984 17.426,9.97 17.865,10.224 17.874,10.259 18.262,10.483 18.333,10.748 v1(18.375,10.773)
  Signal_1 w0.127: v1(18.375,10.773) 18.378,10.774 18.696,10.689 18.895,10.804 19.417,10.664 19.679,10.21 20.138,10.087 21.977,6.902 21.489,5.08 21.54,4.992 21.443,4.632 21.496,4.541 v1(21.849,4.446)
  Bottom w0.216: 16.224,-10.046 16.356,-10.122 16.763,-10.013 16.881,-9.809 17.178,-9.981 17.481,-9.455 17.778,-9.627 17.476,-10.151 18.209,-10.574 18.275,-10.556 ; v1(16.423,8.909) 16.484,8.892 16.616,8.968 16.68,8.951 16.812,9.027 ; 18.28,10.549 18.333,10.748 v1(18.375,10.773)
DW_IRQ_BB: U6.2 U6.5 U19.45 | length 20.8
  Top w0.152: U19.45@-7.49,0.322 -7.477,0.318 -7.088,-0.356 v1(-7.122,-0.483)
  Top w0.203: U6.5@-7.34,-15.171 v1(-6.562,-13.443) -4.933,-14.278 cw(c-5.024,-14.459) -4.843,-14.551 U6.2@-5.651,-16.146
  Signal_2 w0.203: v1(-7.122,-0.483) -7.056,-0.501 -5.114,-3.865 -7.326,-12.121 v1(-6.562,-13.443)
DW_RESET_BB: U9.2 U9.7 U19.27 | length 43
  Top w0.203: v1(-14.441,1.292) -14.43,1.289 -13.771,1.67 -13.768,1.681 -13.143,2.041 -13.04,2.014 U19.27@-13.018,2.096 ; v1(9.114,-15.23) 8.994,-15.679 U9.7@9.844,-17.151 10.682,-18.602 10.316,-19.968 U9.2@11.178,-21.461
  Bottom w0.305: v1(-14.441,1.292) -14.427,1.267 -13.487,1.015 -11.067,-3.177 -11.156,-3.509 -8.04,-8.906 -4.207,-9.933 -0.997,-15.493 -0.068,-15.742 0.382,-16.522 0.626,-16.587 5.057,-14.029 5.764,-14.219 8.999,-15.085 9.076,-15.22 v1(9.114,-15.23)
EQ: R15.1 R16.2 U14.6 | length 3.5
  Top w0.254: R15.1@5.451,11.867 5.457,11.856 6.4,11.603 6.408,11.601 6.676,12.602 R16.2@6.691,12.611 ; 6.4,11.605 6.21,10.894 U14.6@6.587,10.241
EXTON: R34.2 U19.21 | length 16.7
  Top w0.152: v1(-13.468,4.732) -13.094,4.632 -12.55,4.946 -12.44,4.917 -12.118,4.36 U19.21@-12.122,4.345
  Top w0.406: R34.2@-20.937,-5.489 v1(-20.897,-4.72)
  Bottom w0.406: v1(-20.897,-4.72) -19.387,-3.849 -17.261,4.085 -15.283,5.227 -13.475,4.743 v1(-13.468,4.732)